# Altium PCB UCM PCB R1.PcbDoc
Units mil, origin at the board's own origin, x right, y up, seen from the top; angles counter-clockwise.
Board outline 3635 x 2330 mil, 4 copper layers (Top Layer, (GND), (PWR), Bottom Layer), stack 53.912 mil thick; 150 components, 88 nets, 461 pads, 100 vias.
Unrouted connection lines stored in the file: 236.
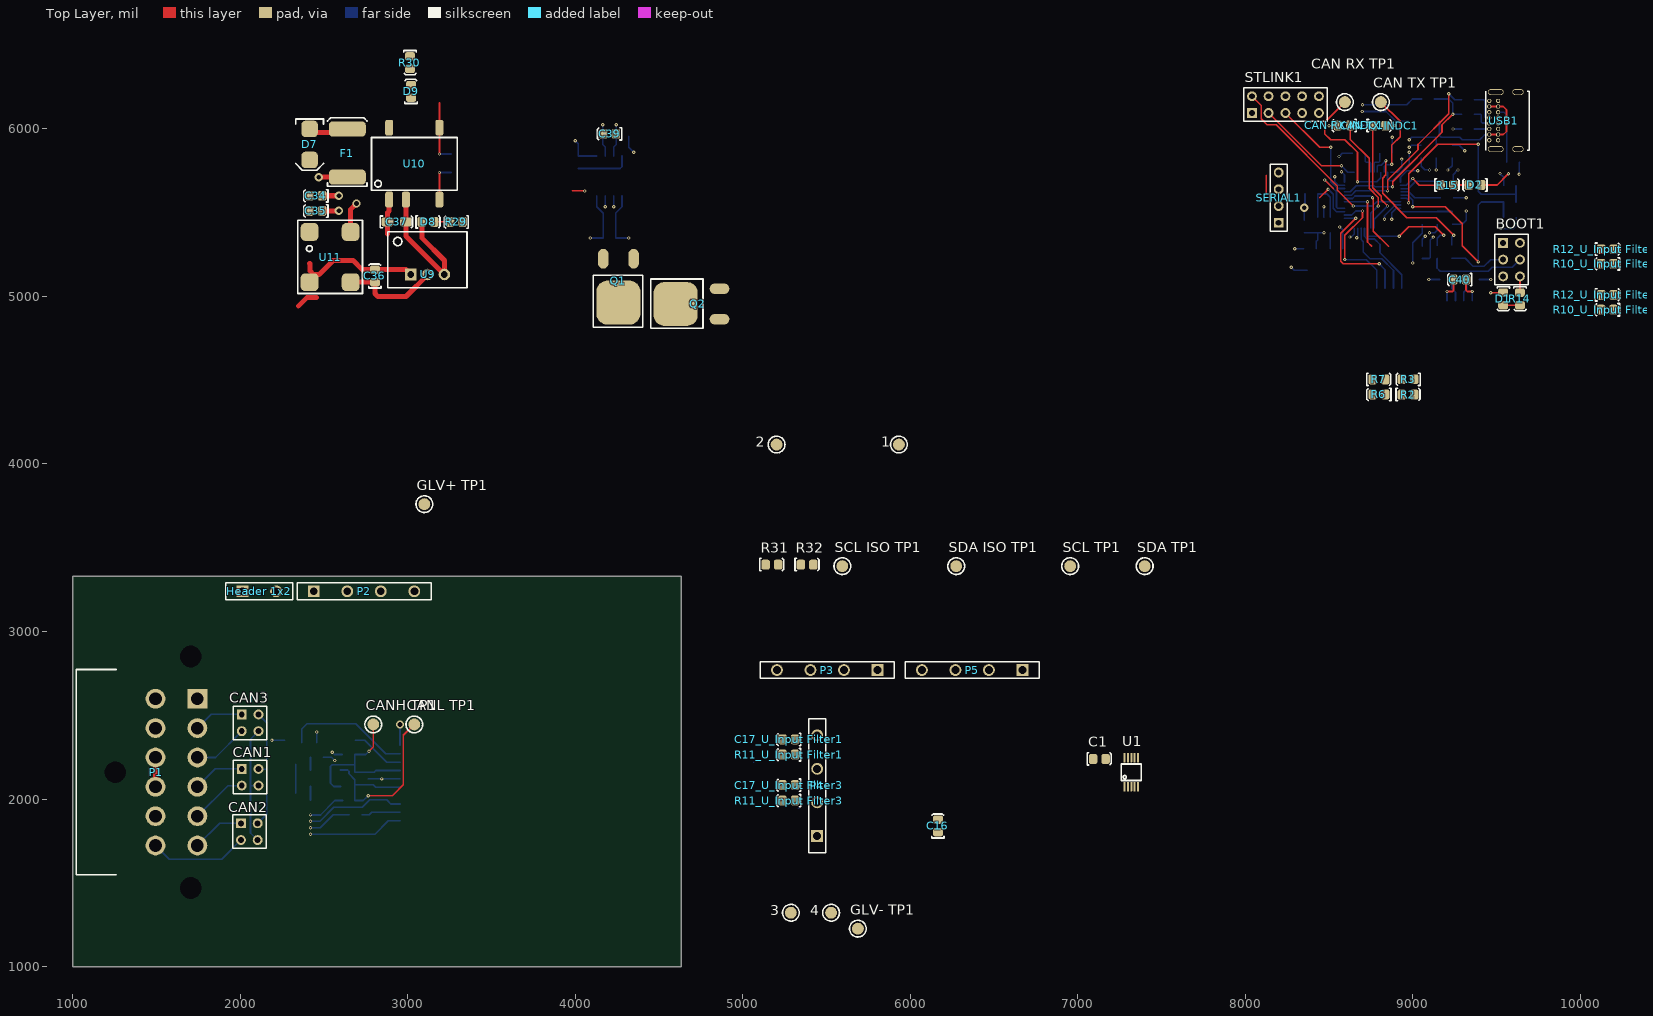
[diagram p0: Top Layer view]
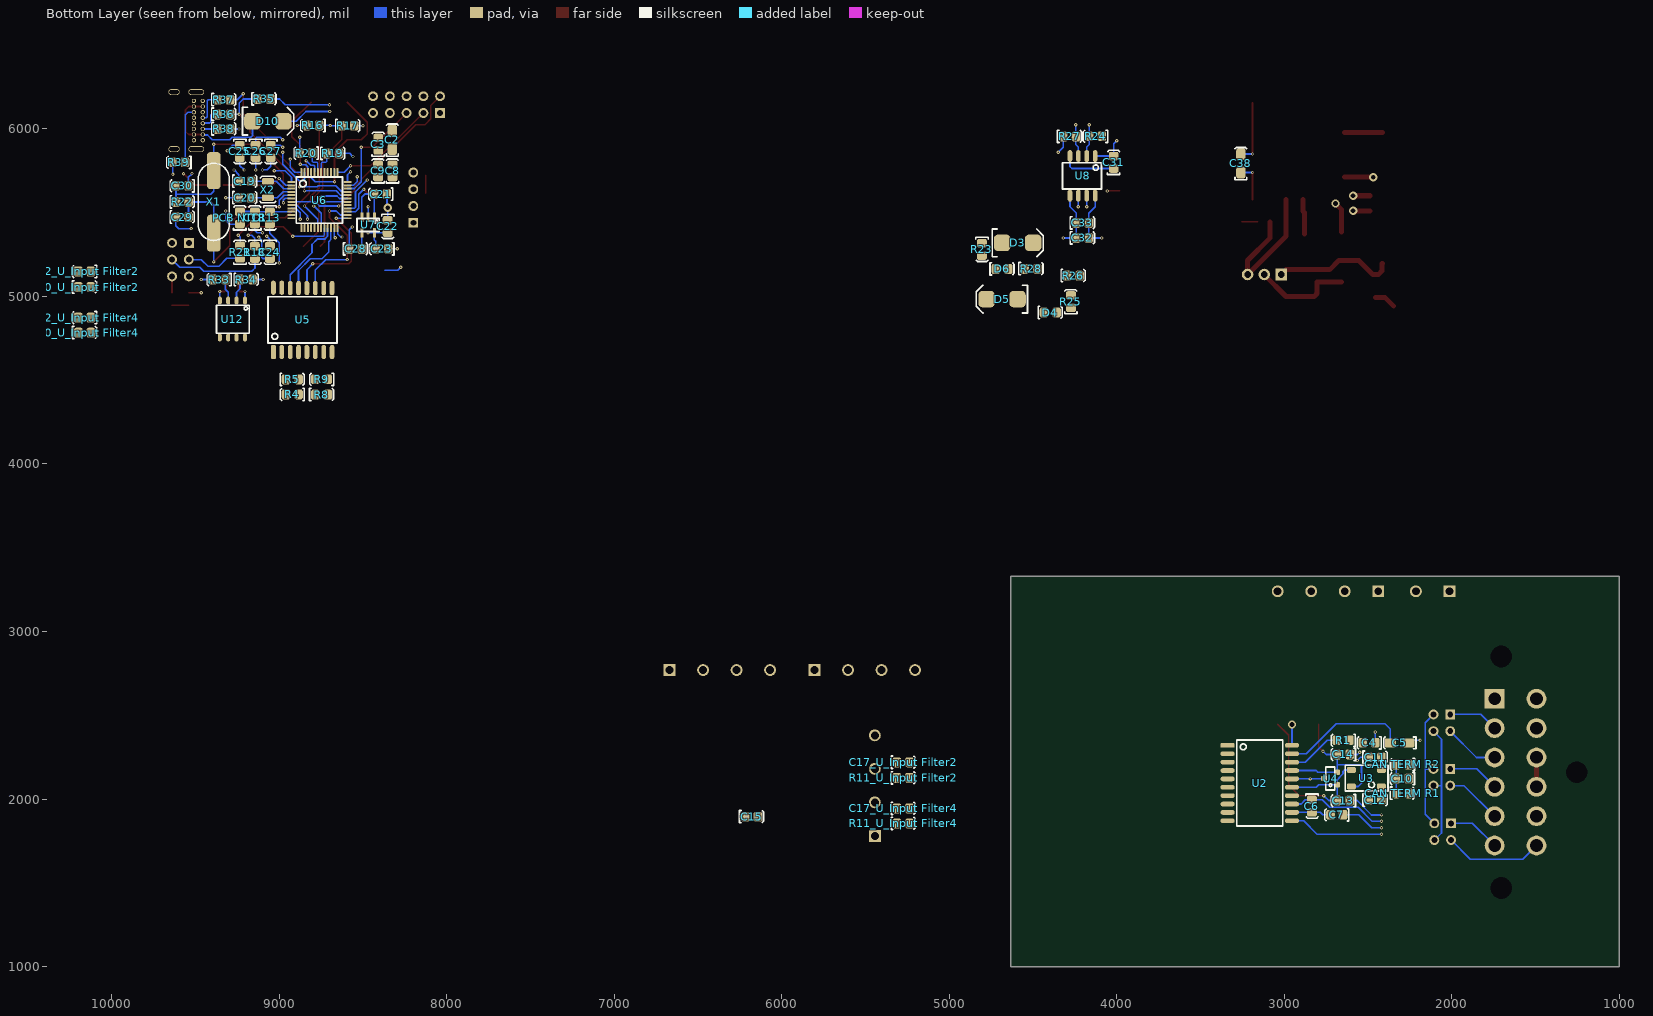
[diagram p1: Bottom Layer view, seen from below]
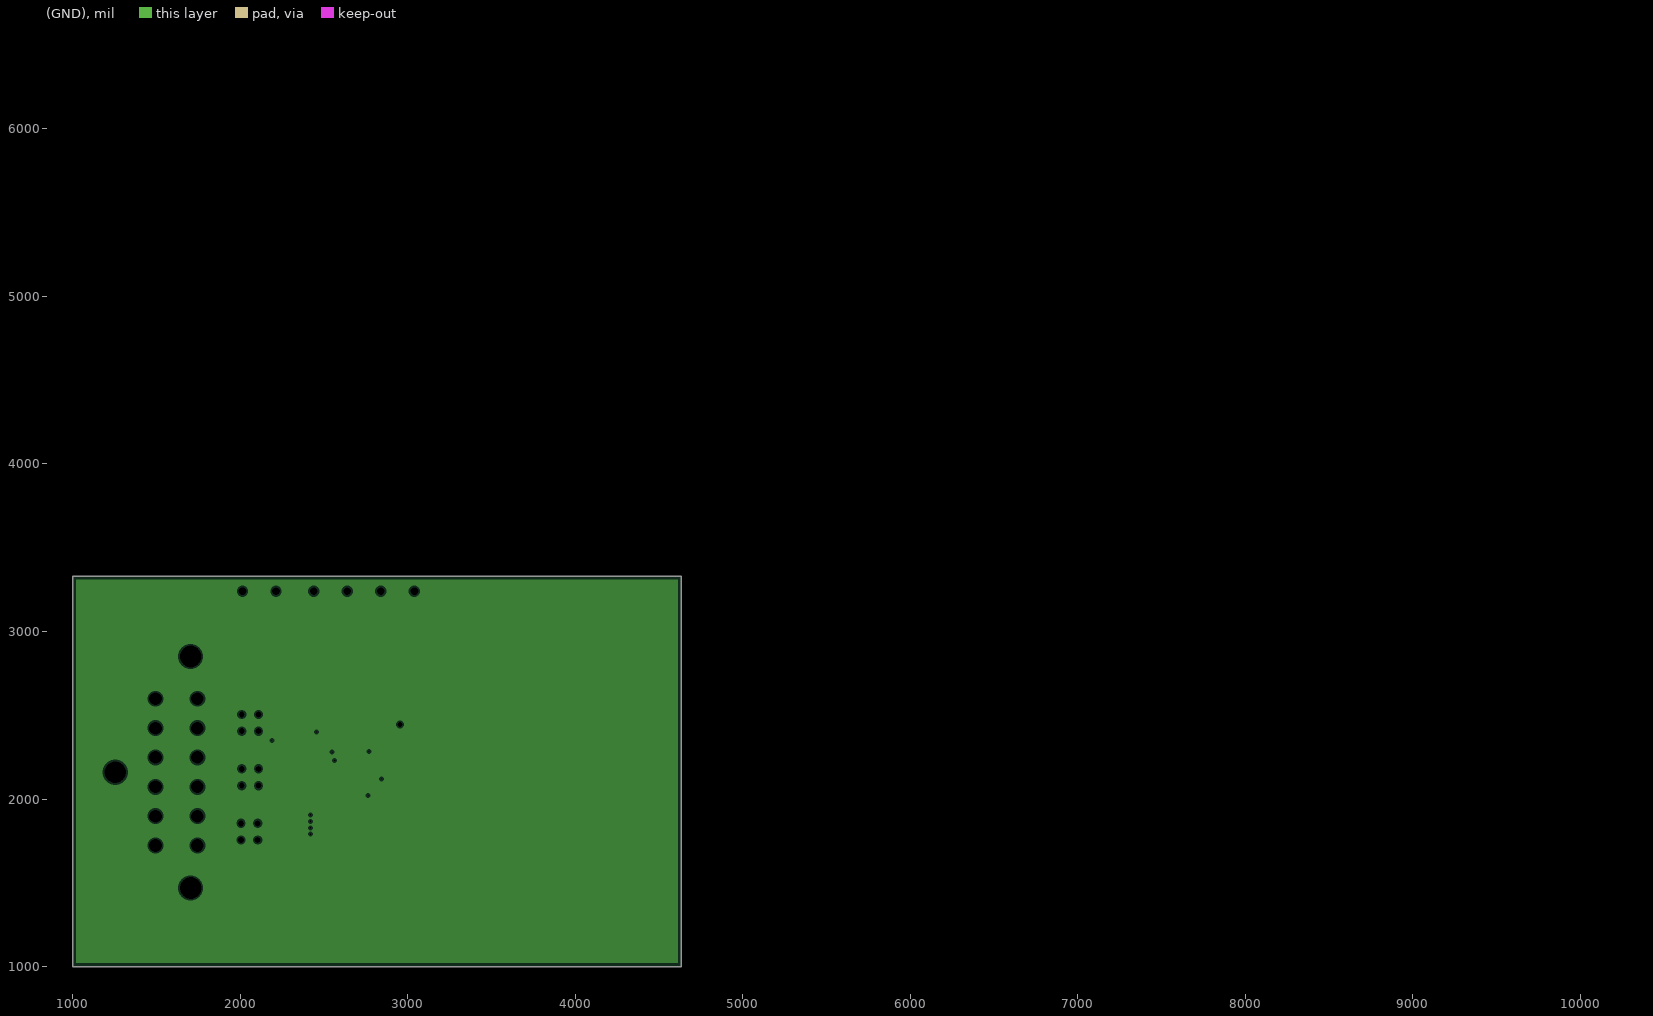
[diagram p2: (GND), clearances drawn from the general rule]
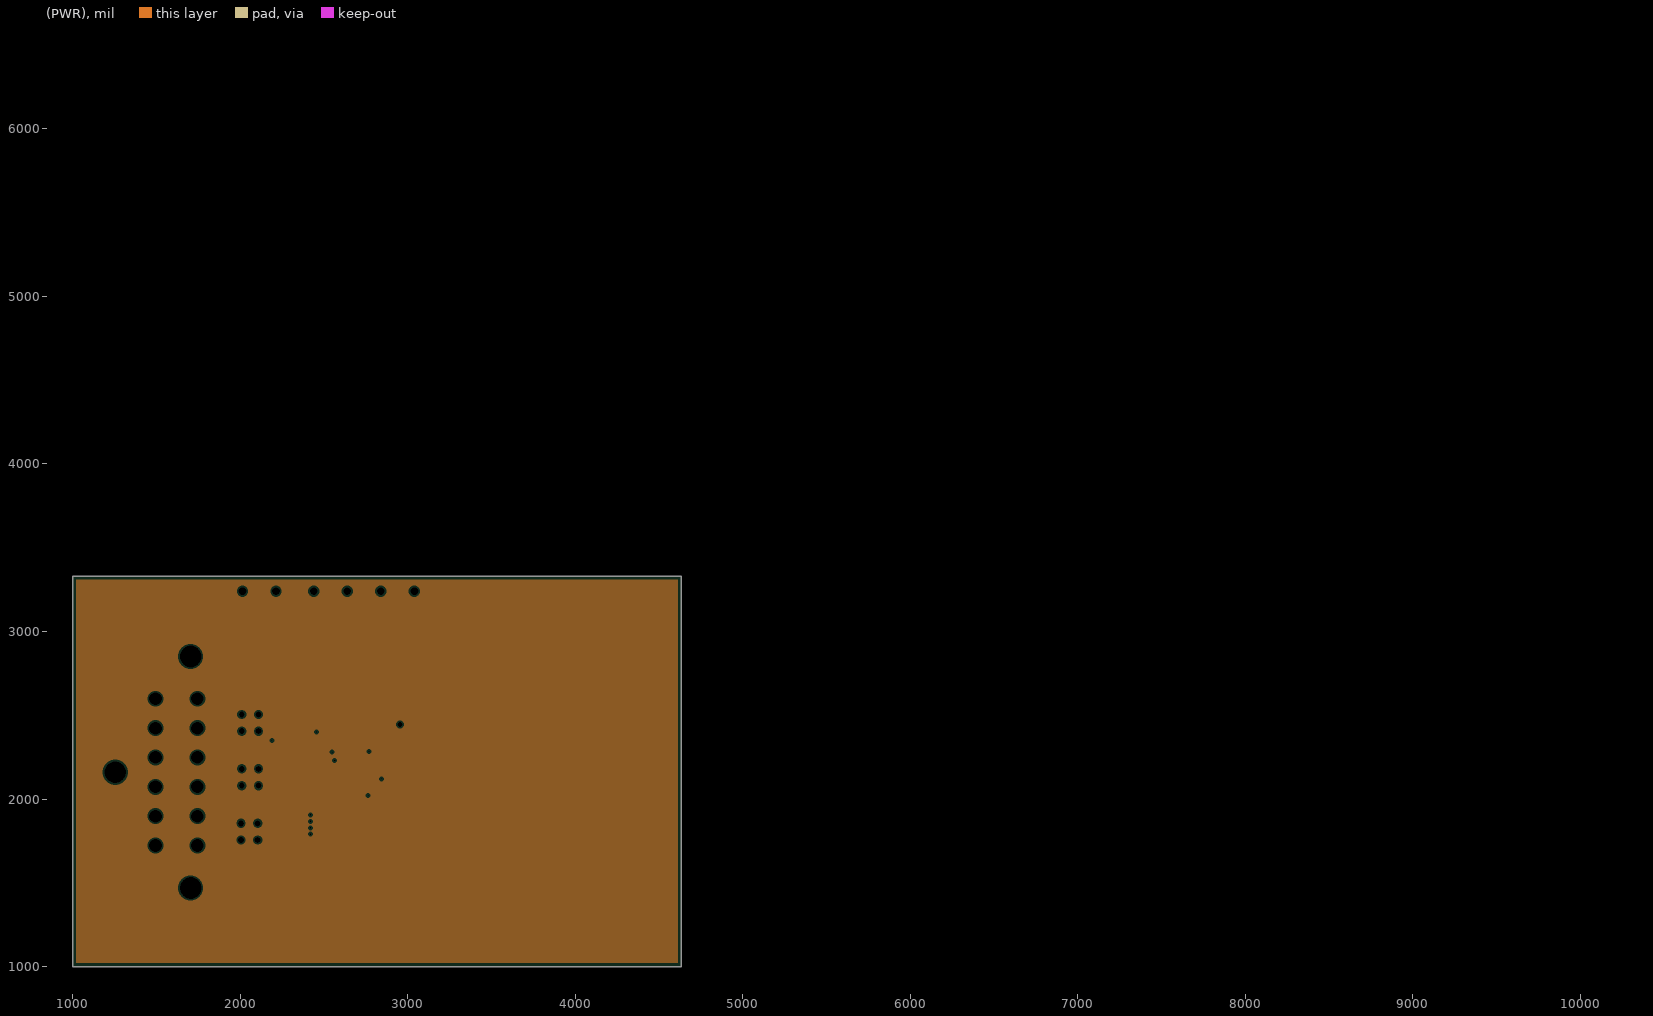
[diagram p3: (PWR), clearances drawn from the general rule]

## Layer stack, top to bottom
Top Solder: solder mask 1, SM-001, Dk 4
Top Layer: signal copper 1.378
Dielectric 1: prepreg 5.1, PP-017, Dk 4.3
Dielectric 2: prepreg 5.1, PP-017, Dk 4.3
(GND): plane copper 1.378, net 0V (ISO)
Dielectric 3: core 28, Core-039, Dk 4.8
(PWR): plane copper 1.378, net (Multiple Nets)
Dielectric 4: prepreg 5.1, PP-017, Dk 4.3
Dielectric 5: prepreg 5.1, PP-017, Dk 4.3
Bottom Layer: signal copper 1.378
Bottom Solder: solder mask 1, SM-001, Dk 4

## Board outline
1000,1000 4635,1000 4635,3330 1000,3330

## Design rules (kind name [scope] priority, off if disabled: settings)
Clearance [All] p1: gap=10 ignorepadtopadclearanceinfootprint=FALSE except(0: Arc-Hole Track-Hole SMDPad-Hole THPad-Hole Via-Hole Fill-Hole Poly-Hole Region-Hole Text-Hole; 3.94: THPad-THPad; 6: Arc-SMDPad Track-SMDPad SMDPad-SMDPad; 7.87: Arc-THPad Track-THPad SMDPad-THPad THPad-Via; 8: Arc-Arc Arc-Track Arc-Region Track-Track Track-Region SMDPad-Region THPad-Region Via-Region Fill-Region Poly-Region Region-Region; 23.62: Arc-Poly Track-Poly SMDPad-Poly THPad-Poly Via-Poly Fill-Poly Poly-Poly)
Clearance Clearance_CAN [InNet('CANL') or InNet('CANH')] p2: gap=19.68 ignorepadtopadclearanceinfootprint=FALSE except(3.94: Arc-THPad Arc-Hole Track-THPad Track-Hole SMDPad-THPad SMDPad-Hole THPad-THPad THPad-Hole Via-Hole Fill-Hole Poly-Hole Region-Hole Text-Hole; 6: Arc-SMDPad Track-SMDPad SMDPad-SMDPad; 7.87: THPad-Via; 8: Arc-Arc Arc-Track Track-Track; 10: Arc-Via Arc-Text Track-Via Track-Text SMDPad-Via SMDPad-Text THPad-Text Via-Via Via-Text Fill-Text Poly-Text Region-Text Text-Text) // DiffPair
DiffPairsRouting [InDifferentialPair('CANBUS')] p1: maxlimit=10 minlimit=10 mostfreqgap=10 toplayer_minwidth=15 toplayer_maxwidth=15 toplayer_prefwidth=15 bottomlayer_minwidth=15 bottomlayer_maxwidth=15 bottomlayer_prefwidth=15 maxuncoupledlength=500
Height [All] p1: minheight=0 maxheight=1968.5 prefheight=500
HoleSize [All] p1: absolutevalues=TRUE maxlimit=393.7 minlimit=1 maxpercent=80.000 minpercent=20.000
MatchedLengths [All] p1: tolerance=1000 checknetsindiffpair=FALSE checkdiffpairvsdiffpair=TRUE checkxsignals=TRUE checkothers=TRUE
PlaneClearance [All] p1: clearance=10
PlaneConnect [All] p1: pad.planeconnectstyle=Relief pad.reliefexpansion=20 pad.reliefentries=4 pad.reliefconductorwidth=31.5 pad.reliefairgap=10 via.planeconnectstyle=Direct via.reliefexpansion=20 via.reliefentries=4 via.reliefconductorwidth=31.5 via.reliefairgap=10
PolygonConnect [All] p1: thpad.connectstyle=Relief thpad.reliefconductorwidth=23.62 thpad.reliefentries=4 thpad.polygonreliefangle="90 Angle" thpad.airgapwidth=10 smdpad.connectstyle=Relief smdpad.reliefconductorwidth=23.62 smdpad.reliefentries=4 smdpad.polygonreliefangle="90 Angle" smdpad.airgapwidth=10 via.connectstyle=Direct via.reliefconductorwidth=23.62 via.reliefentries=4 via.polygonreliefangle="90 Angle" via.airgapwidth=10
RoutingVias [All] p1: holewidth=9.84 width=19.68 viastyle="Through Hole" minholewidth=8 minwidth=10 maxholewidth=28 maxwidth=50
SolderMaskExpansion [All] p1: expansion=2 istentingtop=FALSE
Width [All] p1: maxlimit=118.11 minlimit=5 preferedwidth=10 minimp=50.000000 maximp=50.000000 favimp=50.000000
25 further rules are at their usual default settings.

## Classes and differential pairs
channel class "Input Filter": "U_Input Filter1" "U_Input Filter2" "U_Input Filter3" "U_Input Filter4"
component class "U_Power Supply": 1 2 3 4 C34 C35 C36 C37 C38 D7 D8 D9 F1 "GLV+ TP1" "GLV- TP1" R29 R30 U9 U10 U11
component class "U_Output Driver": C31 C32 C33 D4 D6 Q1 Q2 R24 R25 R26 R27 R28 U8
component class U_Microcontroller: BOOT1 C18 C19 C20 C21 C22 C23 C24 C25 C26 C27 C28 C29 C30 "CAN RX INDC1" "CAN TX INDC1" D1 D2 D10 "PCB NTC1" R13 R14 R15 R16 R17 R18 R19 R20 R21 R22 R35 R36 R37 R38 R39 SERIAL1 STLINK1 U6 U7 USB1 X1 X2
component class "U_Input Filter4": "C17_U_Input Filter4" "R10_U_Input Filter4" "R11_U_Input Filter4" "R12_U_Input Filter4"
component class "U_Input Filter3": "C17_U_Input Filter3" "R10_U_Input Filter3" "R11_U_Input Filter3" "R12_U_Input Filter3"
component class "U_Input Filter2": "C17_U_Input Filter2" "R10_U_Input Filter2" "R11_U_Input Filter2" "R12_U_Input Filter2"
component class "U_Input Filter1": "C17_U_Input Filter1" "R10_U_Input Filter1" "R11_U_Input Filter1" "R12_U_Input Filter1"
component class "U_Digital Inputs": C15 C16 C39 C40 R2 R3 R4 R5 R6 R7 R8 R9 R31 R32 R33 R34 "SCL ISO TP1" "SCL TP1" "SDA ISO TP1" "SDA TP1" U5 U12
component class U_CAN: C2 C3 C4 C5 C6 C7 C8 C9 C10 C11 C12 C13 C14 "CAN RX TP1" "CAN TERM R1" "CAN TERM R2" "CAN TX TP1" "CANH TP1" "CANL TP1" R1 U2 U3 U4
component class "U_4 Channel ADC": C1 U1
component class "Top Level": CAN1 CAN2 CAN3 "Header 1x2" P1 P2 P3 P4 P5

## Components (designator, comment, footprint, x,y, rotation, side; value= is the part's Value field where it differs from the comment)
1 "0mm" "SMD Test Point" 5932.87,4116.03 r90 top
2 "0mm" "SMD Test Point" 5202.87,4116.03 r90 top
3 "0mm" "SMD Test Point" 5287.87,1321.03 r90 top
4 "0mm" "SMD Test Point" 5527.87,1321.03 r90 top
BOOT1 "2.54mm" "TH 2.54mm Header 2x3" 9540,5320 r270 top
C1 "100nF" 0805 7130,2240 r0 top
C2 "10nF" 1206 8325,5982.36 r90 bottom
C3 "100nF" 0805 8410,5909.53 r90 bottom
C4 "100nF" 0805 2495,2335 r0 bottom
C5 "10nF" 1206 2360,2335 r0 bottom
C6 "10uF" 0805 2835,1956.93 r270 bottom
C7 "100nF" 0805 2688.07,1905 r0 bottom
C8 "10uF" 0805 8325,5750 r90 bottom
C9 "100nF" 0805 8411.03,5750 r90 bottom
C10 "22pF" 0805 2295.94,2120.76 r0 bottom
C11 "100pF" 0805 2457.79,2250 r180 bottom
C12 "100pF" 0805 2457.79,1995 r180 bottom
C13 "100pF" 0805 2648.07,1989.75 r0 bottom
C14 "100pF" 0805 2648.07,2265 r0 bottom
C15 "100nF" 0805 6180,1895 r180 bottom
C16 "100nF" 0805 6165,1840 r90 top
"C17_U_Input Filter1" "100nF" 0805 5275,2355 r180 top (schematic designator C17)
"C17_U_Input Filter2" "100nF" 0805 5275,2220 r180 bottom (schematic designator C17)
"C17_U_Input Filter3" "100nF" 0805 5275,2082.06 r180 top (schematic designator C17)
"C17_U_Input Filter4" "100nF" 0805 5275,1945 r180 bottom (schematic designator C17)
C18 "100nF" 0805 9146.52,5469.91 r90 bottom
C19 "22pF" 0805 9205,5688.43 r180 bottom
C20 "22pF" 0805 9205,5590 r180 bottom
C21 "1uF" 0805 8395.31,5610 r0 bottom
C22 "100nF" 0805 8351.81,5417.1 r270 bottom
C23 "1uF" 0805 8388.07,5283.97 r0 bottom
C24 "1uF" 0805 9055,5263.09 r270 bottom
C25 "100nF" 0805 9235,5865 r270 bottom
C26 "100nF" 0805 9140,5865 r270 bottom
C27 "100nF" 0805 9050,5865 r270 bottom
C28 "22uF" 0805 8543.97,5284.8 r180 bottom
C29 "22pF" 0805 9578.84,5475 r180 bottom
C30 "22pF" 0805 9580.74,5660 r0 bottom
C31 "100nF" 0805 4020,5801.18 r90 bottom
C32 "100nF" 0805 4205,5350 r180 bottom
C33 "10uF" 0805 4205,5440 r180 bottom
C34 "10uF" 0805 2451.93,5600 r180 top
C35 "10uF" 0805 2451.93,5510 r180 top
C36 "10uF" 0805 2803.97,5122.87 r90 top
C37 "22uF" 1206 2982.13,5445 r0 top
C38 "22uF" 1206 3260,5842.09 r90 bottom
C39 "100nF" 0805 4205,5970 r180 top
C40 "100nF" 0805 9280,5100 r180 top
CAN1 "2.54mm" "TH 2.54mm Header 2x2" 2010,2180 r270 top (schematic designator CANSEL1)
CAN2 "2.54mm" "TH 2.54mm Header 2x2" 2005,1855 r270 top (schematic designator CANSEL2)
CAN3 "2.54mm" "TH 2.54mm Header 2x2" 2010,2505 r270 top (schematic designator CANSEL3)
"CAN RX INDC1" "Blue" "0805 LED" 8590,6020 r180 top
"CAN RX TP1" "0mm" "SMD Test Point" 8595,6160 r90 top
"CAN TERM R1" "56R" 0805 2295,2035 r180 bottom
"CAN TERM R2" "56R" 0805 2295.94,2205 r0 bottom
"CAN TX INDC1" "Blue" "0805 LED" 8800,6020 r0 top
"CAN TX TP1" "0mm" "SMD Test Point" 8810,6160 r90 top
"CANH TP1" "0mm" "SMD Test Point" 2795,2445 r90 top
"CANL TP1" "0mm" "SMD Test Point" 3040,2445 r90 top
D1 "Red" "0805 LED" 9541.03,4985 r270 top
D2 "Red" "0805 LED" 9370.85,5664.74 r180 top
D3 "SD560BTR" "SMB Diode" 4675,5320 r180 bottom
D4 "Orange" "0805 LED" 4397.13,4905.2 r180 bottom
D5 "SD560BTR" "SMB Diode" 4602.87,4983.97 r0 bottom
D6 "Orange" "0805 LED" 4685,5165 r180 bottom
D7 "SD560BTR" "SMB Diode" 2415,5990 r270 top
D8 "Red" "0805 LED" 3122.87,5446.03 r0 top
D9 "Red" "0805 LED" 3020,6225 r90 top
D10 "SD560BTR" "SMB Diode" 9150.16,6046.11 r180 bottom
F1 "0ZCF0100AF2A" 2920 2640,5712.44 r90 top
"GLV+ TP1" "0mm" "SMD Test Point" 3100,3760 r90 top
"GLV- TP1" "0mm" "SMD Test Point" 5687.87,1226.03 r90 top
"Header 1x2" "2.54mm" "TH 5.08mm Header 1x2" 2015,3240 r0 top
P1 "DT13-12P" DT13-12P 1495.16,2598.39 r270 top
P2 "2.54mm" "TH 5.08mm Header 1x4" 2440,3240 r0 top
P3 "2.54mm" "TH 5.08mm Header 1x4" 5805,2770 r180 top
P4 "2.54mm" "TH 5.08mm Header 1x4" 5445,1780 r90 top
P5 "2.54mm" "TH 5.08mm Header 1x4" 6670,2770 r180 top
"PCB NTC1" "10K (NTC) (B25/85 3430K)" 0805 9236.52,5469.91 r90 bottom
Q1 "STD70N10F4" "STM TO-252 MOSFET" 4167.83,5225 r0 top
Q2 "STD70N10F4" "STM TO-252 MOSFET" 4861.81,5045.55 r270 top
R1 "0R" 0805 2650,2350 r0 bottom
R2 "10k" 0805 8972.87,4415 r0 top
R3 "10k" 0805 8971.93,4505 r180 top
R4 "10k" 0805 8922.87,4414.17 r0 bottom
R5 "10k" 0805 8921.93,4505.83 r180 bottom
R6 "10k" 0805 8797.13,4414.17 r180 top
R7 "10k" 0805 8798.07,4505.83 r0 top
R8 "10k" 0805 8747.13,4415 r180 bottom
R9 "10k" 0805 8748.07,4505 r0 bottom
"R10_U_Input Filter1" "10k" 0805 10161.19,5193.97 r180 top (schematic designator R10)
"R10_U_Input Filter2" "10k" 0805 10161.19,5057.06 r180 bottom (schematic designator R10)
"R10_U_Input Filter3" "10k" 0805 10161.19,4920 r180 top (schematic designator R10)
"R10_U_Input Filter4" "10k" 0805 10161.19,4785 r180 bottom (schematic designator R10)
"R11_U_Input Filter1" "1k" 0805 5275,2263.97 r180 top (schematic designator R11)
"R11_U_Input Filter2" "1k" 0805 5275,2127.06 r180 bottom (schematic designator R11)
"R11_U_Input Filter3" "1k" 0805 5275,1990 r180 top (schematic designator R11)
"R11_U_Input Filter4" "1k" 0805 5275,1855 r180 bottom (schematic designator R11)
"R12_U_Input Filter1" "10k" 0805 10163.09,5282.94 r0 top (schematic designator R12)
"R12_U_Input Filter2" "10k" 0805 10163.09,5147.94 r0 bottom (schematic designator R12)
"R12_U_Input Filter3" "10k" 0805 10163.09,5010 r0 top (schematic designator R12)
"R12_U_Input Filter4" "10k" 0805 10163.09,4872.94 r0 bottom (schematic designator R12)
R13 "10k" 0805 9055,5468 r270 bottom
R14 "510R" 0805 9641.03,4985 r270 top
R15 "510R" 0805 9205.57,5665.57 r0 top
R16 "680R" 0805 8800,6020 r0 bottom
R17 "680R" 0805 8590,6020 r180 bottom
R18 "10k" 0805 9145,5263.09 r270 bottom
R19 "5.1k" 0805 8680,5855 r180 bottom
R20 "5.1k" 0805 8840,5855 r0 bottom
R21 "10k" 0805 9235,5265 r90 bottom
R22 "10M" 0805 9578.84,5565 r180 bottom
R23 "1.5k" 0805 4805,5280 r270 bottom
R24 "10k" 0805 4128.07,5955.2 r0 bottom
R25 "20k" 0805 4275,4970 r90 bottom
R26 "1.5k" 0805 4260,5125 r180 bottom
R27 "10k" 0805 4281.93,5956.03 r180 bottom
R28 "20k" 0805 4512.13,5166.03 r180 bottom
R29 "680R" 0805 3290,5443.97 r180 top
R30 "510R" 0805 3015,6395 r270 top
R31 "3.3k" 0805 5175,3400 r0 top
R32 "3.3k" 0805 5385,3400 r0 top
R33 "3.3k" 0805 9360,5100 r0 bottom
R34 "3.3k" 0805 9196.91,5102.06 r180 bottom
R35 "1.5k" 0805 9090,6180 r180 bottom
R36 "20R" 0805 9330,6087.92 r180 bottom
R37 "20R" 0805 9330,6175 r180 bottom
R38 "5.1k" 0805 9330,6000.83 r180 bottom
R39 "5.1k" 0805 9600,5800 r0 bottom
"SCL ISO TP1" "0mm" "SMD Test Point" 5595,3390 r90 top
"SCL TP1" "0mm" "SMD Test Point" 6955,3390 r90 top
"SDA ISO TP1" "0mm" "SMD Test Point" 6275,3390 r90 top
"SDA TP1" "0mm" "SMD Test Point" 7400,3390 r90 top
SERIAL1 "2.54mm" "TH 2.54mm Header 1x4" 8200,5440 r90 top
STLINK1 "2.54mm" "TH 2.54mm Header 2x5" 8040,6095 r0 top
U1 "ADS1115" "TI 10-VSSOP" 7320,2160 r90 top
U2 "ADM3053" "AD SOIC-W 20" 3146.98,2095 r270 bottom
U3 "B82787C0104H002" "TDK 4-PC Pad" 2420.87,2075 r0 bottom
U4 "NUP2105L" "ON SOT-23" 2724.37,2122.4 r90 bottom
U5 "ADuM1400" "AD 16-SOIC" 8810,4860.04 r180 bottom
U6 "STM32F103C8T6" "STM 48-LQFP" 8760,5575 r270 bottom
U7 "RT9193-33GB" "RICHTEK SOT-23-5" 8471.61,5433.8 r0 bottom
U8 "ADUM3221ARZ" "AD 8-SOIC" 4205,5720 r0 bottom
U9 "R-78C5.0-1.0" "RECOM 3-SIP" 3020,5131.02 r0 top
U10 "R2S-0505/HP" "RECOM 8-SMD (5 Pin)" 3040,5790.91 r0 top
U11 "744272121" "Wurth 4-PC Pad" 2659.88,5085 r90 top
U12 "ISO1540DR" "TI 8-SOIC" 9305,4594 r270 bottom
USB1 "USB4085-GF-A" USB4085-GF-A 9615,6045 r90 top
X1 "8MHz" "Abracon HC-49/US" 9391.08,5564.59 r90 bottom
X2 "32.768kHz" "EPSON 2-SMD" 9067.94,5638.18 r270 bottom
